# KiCad board panel_3_3.kicad_pcb (continued)
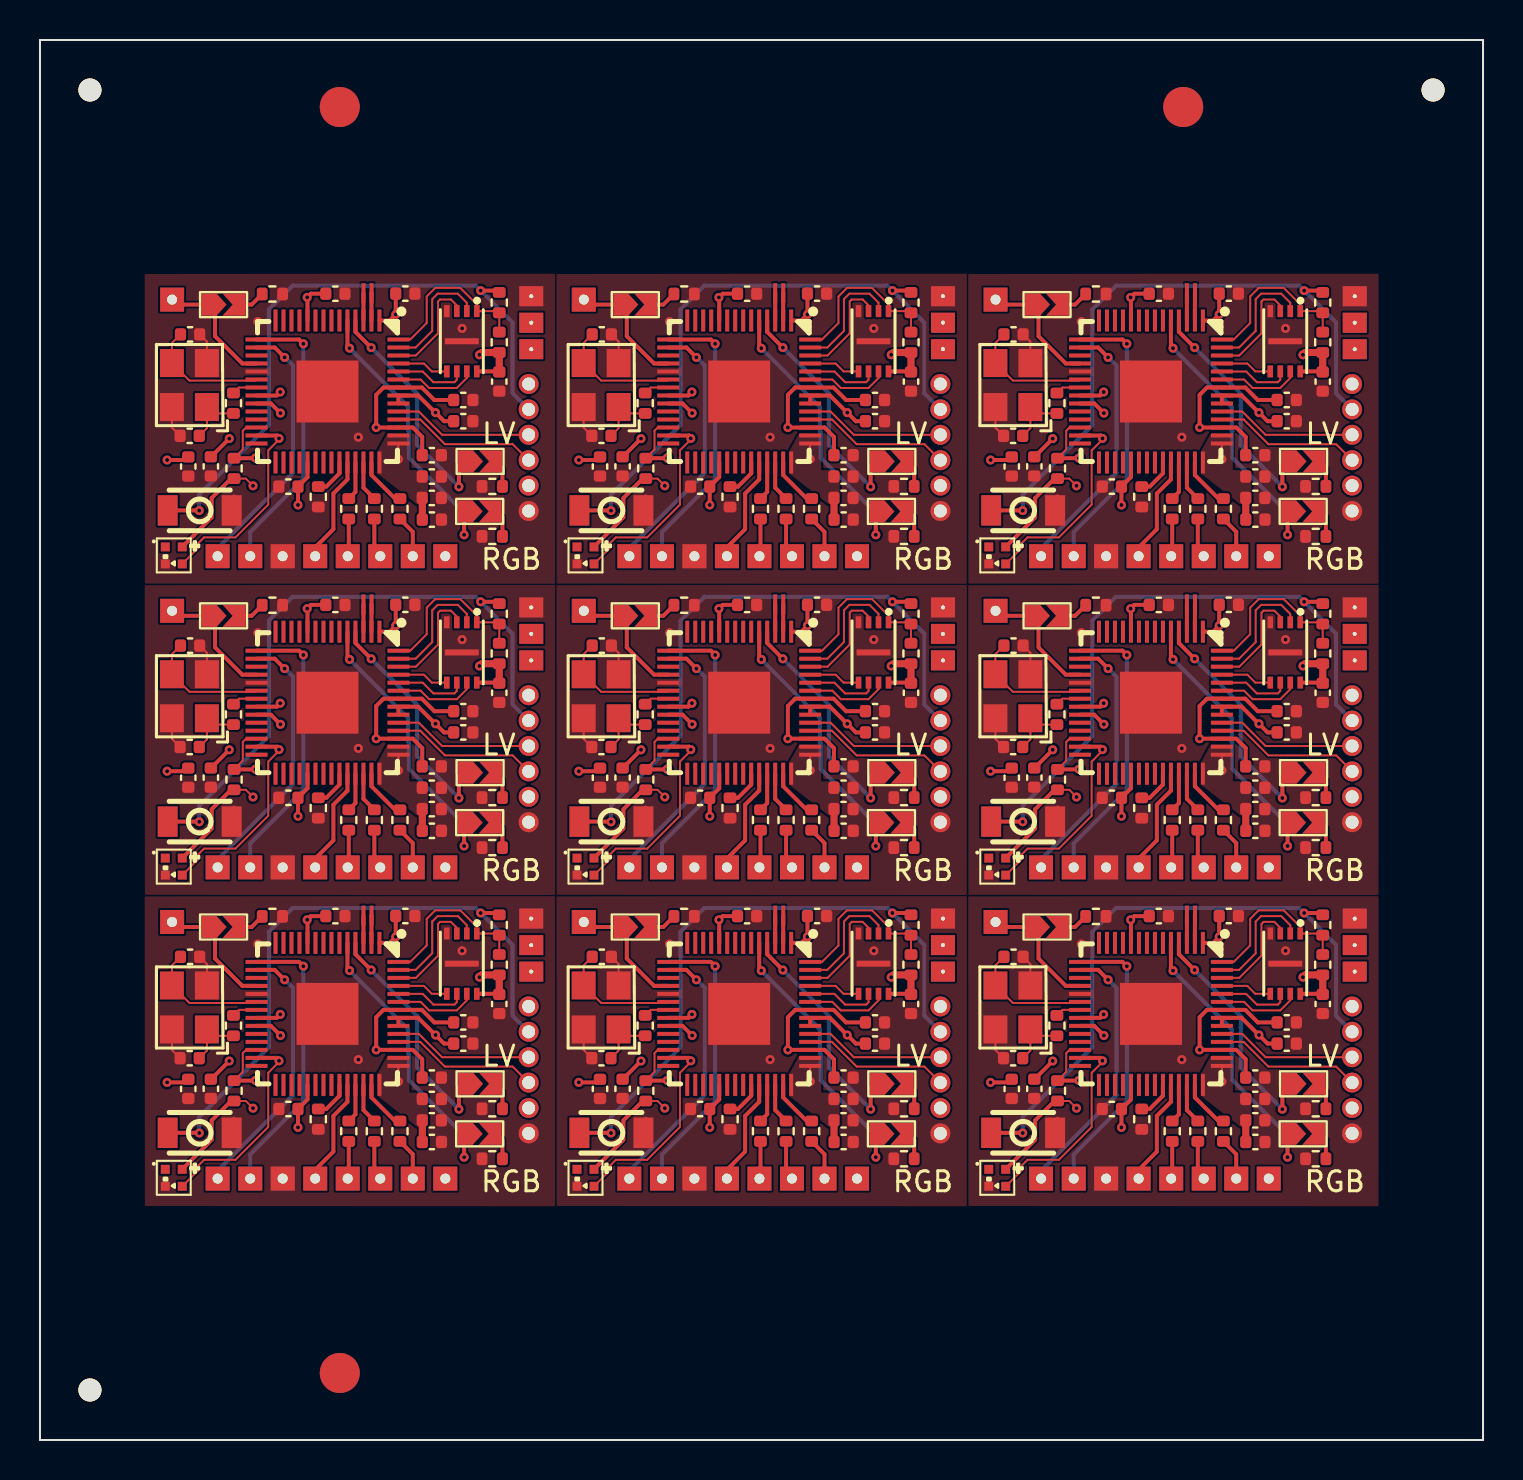
[diagram p0: board, top side]
## Copper pours and planes (outline as drawn; the poured copper is in the pictures) (continued)
Board_5-+3V3 on Top: 58.58,34.77 59.69,34.77 59.69,32.94 60.6,32.92 60.61,31.23 60.04,31.23 58.09,32.77 58.09,33.87
Board_5-+3V3 on In2.Cu: 66.5,27.76 47,27.74 47.01,42.23 66.53,42.24
Board_5-GND on Top: 66.97,27.25 46.45,27.26 46.44,42.74 66.98,42.76
Board_5-GND on Bottom: 66.5,27.73 46.95,27.74 46.97,42.27 66.51,42.24
Board_5-GND on In1.Cu: 66.97,27.25 46.45,27.27 46.44,42.74 66.98,42.76
Board_6-+3V3 on Top: 17.38,19.21 18.48,19.2 18.48,17.38 19.41,17.36 19.41,15.67 18.84,15.67 16.88,17.2 16.88,18.31
Board_6-+3V3 on In2.Cu: 25.31,12.19 5.8,12.19 5.81,26.67 25.32,26.69
Board_6-GND on Top: 25.77,11.69 5.25,11.7 5.24,27.18 25.78,27.2
Board_6-GND on Bottom: 25.29,12.17 5.75,12.19 5.77,26.7 25.31,26.69
Board_6-GND on In1.Cu: 25.77,11.69 5.25,11.71 5.24,27.18 25.78,27.2
Board_7-+3V3 on Top: 37.98,19.21 39.09,19.2 39.09,17.38 40,17.36 40.01,15.67 39.44,15.67 37.48,17.2 37.48,18.31
Board_7-+3V3 on In2.Cu: 45.91,12.19 26.4,12.19 26.41,26.67 45.92,26.69
Board_7-GND on Top: 46.37,11.69 25.85,11.7 25.84,27.18 46.38,27.2
Board_7-GND on Bottom: 45.89,12.17 26.35,12.19 26.36,26.7 45.91,26.69
Board_7-GND on In1.Cu: 46.37,11.69 25.85,11.71 25.84,27.18 46.38,27.2
Board_8-+3V3 on Top: 58.58,19.21 59.69,19.2 59.69,17.38 60.6,17.36 60.61,15.67 60.04,15.67 58.09,17.2 58.09,18.31
Board_8-+3V3 on In2.Cu: 66.5,12.19 47,12.19 47.01,26.67 66.53,26.69
Board_8-GND on Top: 66.97,11.69 46.45,11.7 46.44,27.18 66.98,27.2
Board_8-GND on Bottom: 66.5,12.17 46.95,12.19 46.97,26.7 66.51,26.69
Board_8-GND on In1.Cu: 66.97,11.69 46.45,11.71 46.44,27.18 66.98,27.2

## Text on the board
B.Silkscreen: 3V3 | R | B | G | - | + | RGB | CPU | SCL | SDA | GND | RST | CLK | CMD | D0
User.Comments: V-CUT
F.Silkscreen: RGB | LV
